# KiCad board USB Cable Tester.kicad_pcb
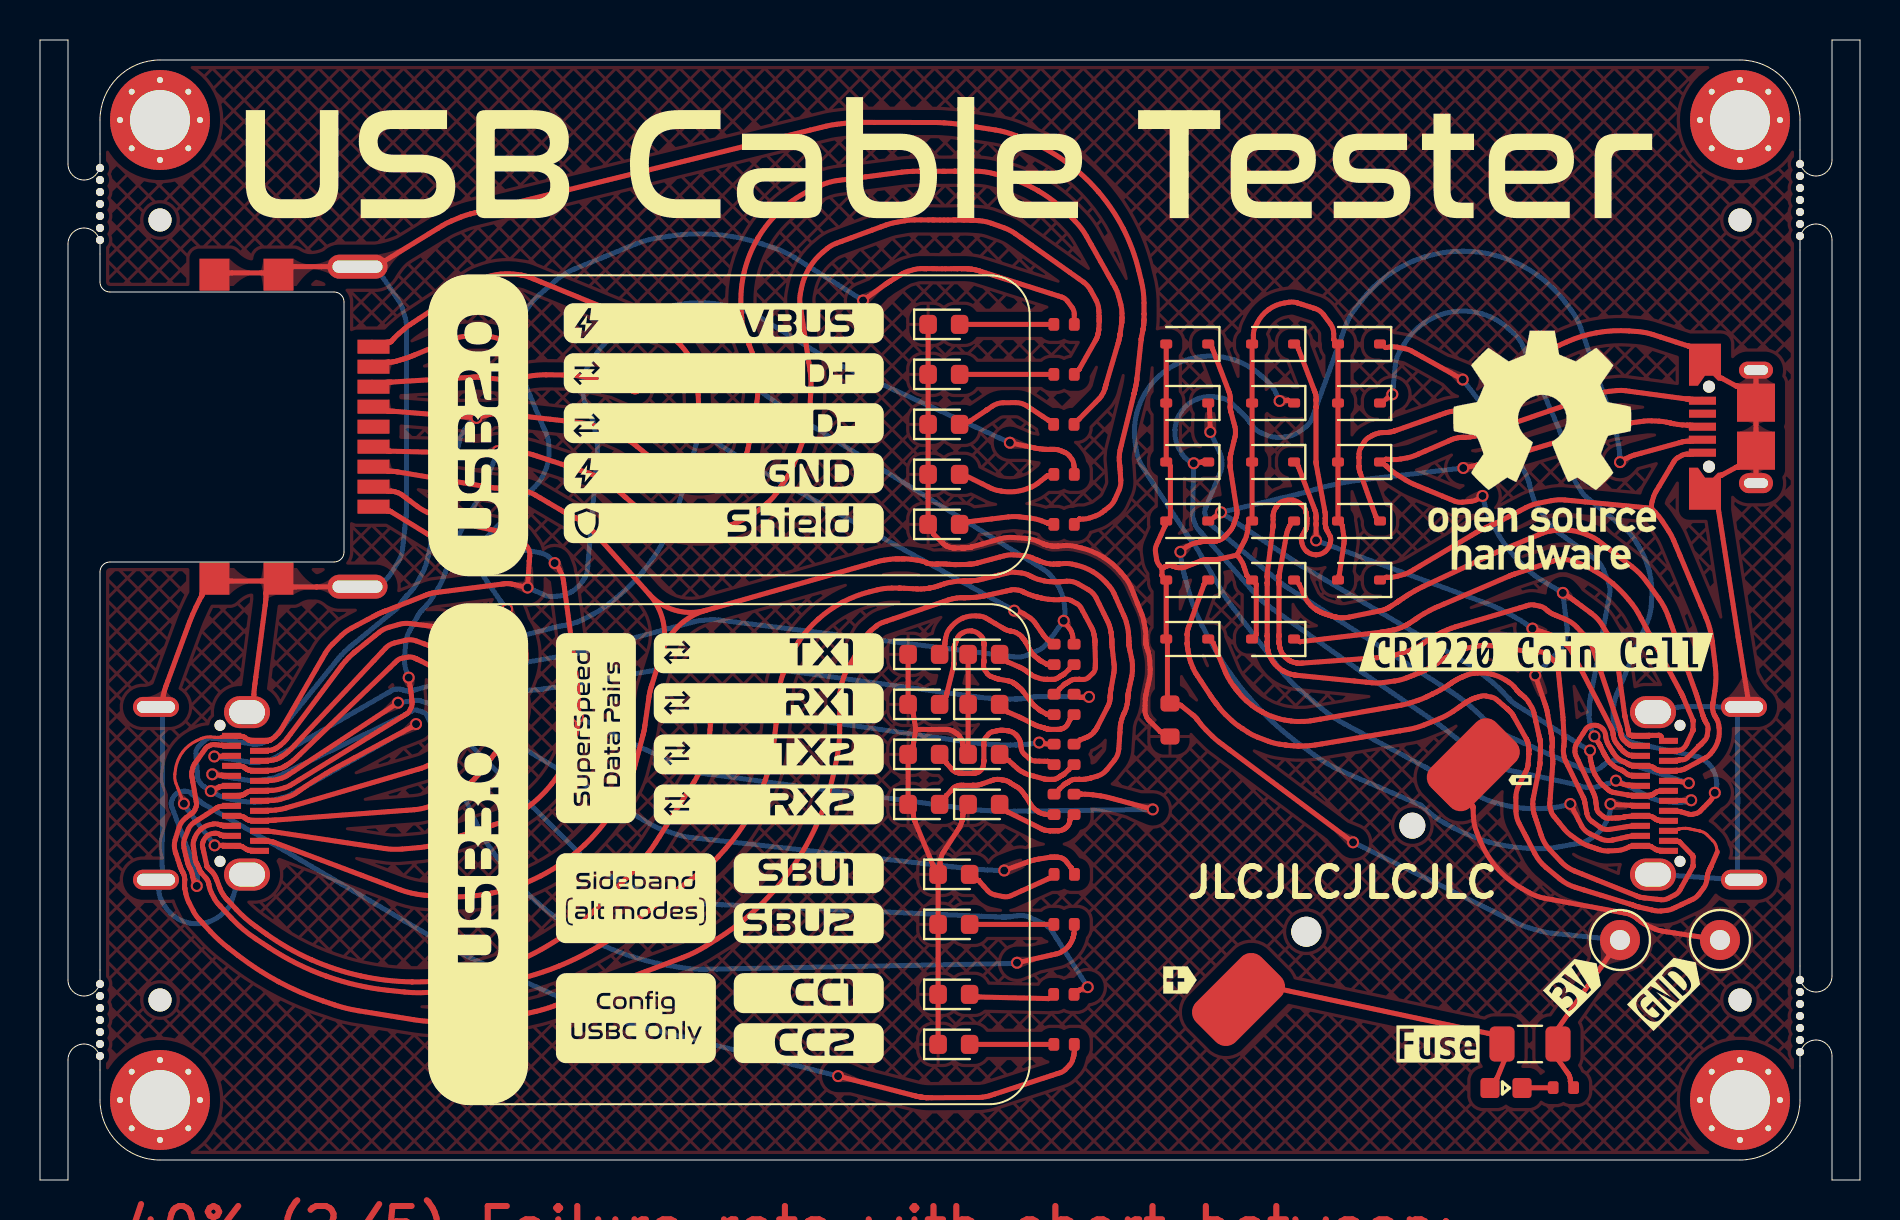
[diagram p0: board, top side]
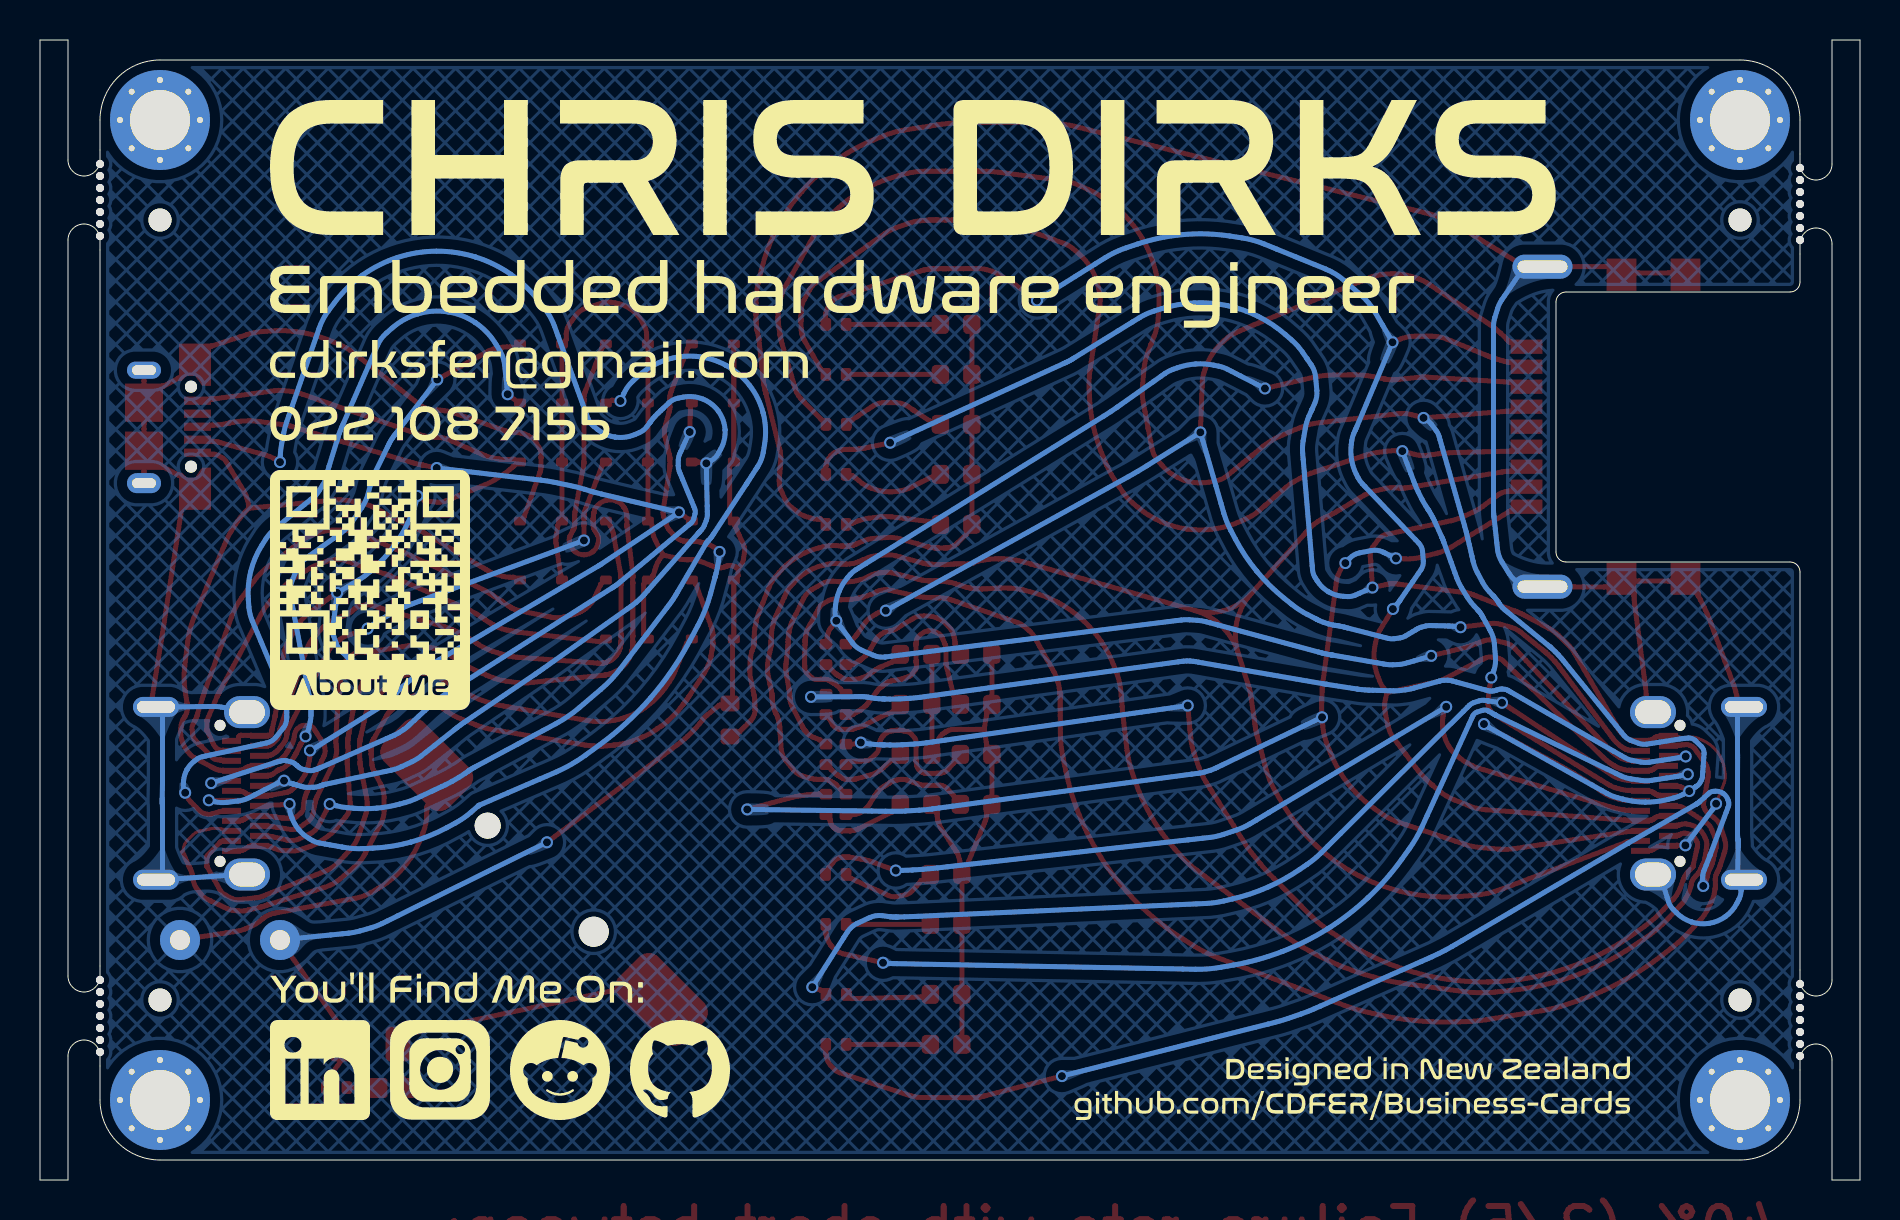
[diagram p1: board, bottom side, seen from below]

Outline 91 x 57 mm; copper layers: Top, Bottom. Coordinates in mm from the lower left corner of the outline.
Outline path: 1.4,50.8 1.4,57 0,57 0,0 1.4,0 1.4,6 ; 1.4,10 1.4,46.8 ; 3,51.3 3,53 arc(3.88,55.12) 6,56 85,56 arc(87.12,55.12) 88,53 88,51.5 ; 3,46.3 3,44.9 arc(3.15,44.55) 3.5,44.4 14.7,44.4 arc(15.05,44.25) 15.2,43.9 15.2,31.4 arc(15.05,31.05) 14.7,30.9 3.5,30.9 arc(3.15,30.75) 3,30.4 3,10.5 ; 3,5.5 3,4 arc(3.88,1.88) 6,1 85,1 arc(87.12,1.88) 88,4 88,5.7 ; 88,46.5 88,10.7 ; 89.6,51 89.6,57 91,57 91,0 89.6,0 89.6,6.2 ; 89.6,47 89.6,10.2
Stack: Top 0.035mm / dielectric 0.9mm FR4 er 4.5 / Bottom 0.035mm

## Placement (name value [footprint] x y rotation side)
B1  CR1220  [BAT-SMD_BS-12-B2AA002]  65.8 14.9 225 top
C1  0603,10uF,10V,X5R  [0603_1608Metric]  56.5 23 270 top
D1  RB501V-40  [D_SOD-323]  65.95 41.8 180 top
D2  LED  [LED_0603_1608Metric]  44.19 18.78 0 top
D3  LED  [LED_0603_1608Metric]  47.19 18.78 0 top
D4  LED  [LED_0603_1608Metric]  45.19 42.78 0 top
D5  RB501V-40  [D_SOD-323]  61.66 27.05 180 top
D6  RB501V-40  [D_SOD-323]  57.36 27.05 180 top
D7  RB501V-40  [D_SOD-323]  65.95 38.85 180 top
D8  LED  [LED_0603_1608Metric]  44.19 21.28 0 top
D9  RB501V-40  [D_SOD-323]  65.95 35.9 180 top
D10  LED  [LED_0603_1608Metric]  47.19 23.78 0 top
D11  LED  [LED_0603_1608Metric]  44.19 23.78 0 top
D12  RB501V-40  [D_SOD-323]  61.66 32.95 180 top
D13  LED  [LED_0603_1608Metric]  47.19 21.28 0 top
D14  LED  [LED_0603_1608Metric]  45.19 35.28 0 top
D15  RB501V-40  [D_SOD-323]  57.36 32.95 180 top
D16  LED  [LED_0603_1608Metric]  45.19 37.78 0 top
D17  RB501V-40  [D_SOD-323]  61.66 30 180 top
D18  LED  [LED_0603_1608Metric]  45.19 32.78 0 top
D19  RB501V-40  [D_SOD-323]  65.95 30 180 top
D20  RB501V-40  [D_SOD-323]  61.66 35.9 180 top
D21  RB501V-40  [D_SOD-323]  61.66 41.8 180 top
D22  RB501V-40  [D_SOD-323]  61.66 38.85 180 top
D23  LED  [LED_0603_1608Metric]  44.19 26.28 0 top
D24  RB501V-40  [D_SOD-323]  57.36 38.85 180 top
D25  RB501V-40  [D_SOD-323]  57.36 41.8 180 top
D26  RB501V-40  [D_SOD-323]  65.95 32.95 180 top
D27  LED  [LED_0603_1608Metric]  45.19 40.28 0 top
D28  RB501V-40  [D_SOD-323]  57.36 35.9 180 top
D29  RB501V-40  [D_SOD-323]  57.36 30 180 top
D30  LED  [LED_0603_1608Metric]  47.19 26.28 0 top
D31  LED  [LED_0603_1608Metric]  45.69 9.28 0 top
D32  LED  [LED_0603_1608Metric]  45.69 12.78 0 top
D33  LED  [LED_0603_1608Metric]  45.69 15.28 0 top
D34  LED  [LED_0603_1608Metric]  45.69 6.78 0 top
F1  1.5A Resettable Fuse  [Fuse_1206_3216Metric]  74.5 6.8 180 top
J1  USB3_A  [USB-A-SMD_HC-USB3.0-C225-P]  12.7 37.67 270 top
J2  USB_C_Receptacle  [TYPE-C-SMD_C9900025773]  8.39 19.33 270 top
J3  USB_B_Micro  [USB_Micro-B_XKB_U254-051T-4BH83-F1S]  85.41 37.67 90 top
J4  USB_C_Receptacle  [TYPE-C-SMD_C9900025773]  82.61 19.33 90 top
JLC1  -  [MountingHole_2.1mm]  85 48 0 top
JLC1#2  -  [MountingHole_2.1mm]  6 9 0 top
JLC1#3  -  [MountingHole_2.1mm]  85 9 0 top
JLC1#4  -  [MountingHole_2.1mm]  6 48 0 top
kibuzzard-668C5C99  G***  [kibuzzard-668C5C99]  69.9 6.8 0 top
kibuzzard-668C6B90  G***  [kibuzzard-668C6B90]  57 10 0 top
kibuzzard-668C6BA4  G***  [kibuzzard-668C6BA4]  74 20 180 top
kibuzzard-668C577E  G***  [kibuzzard-668C577E]  74.8 26.4 0 top
kibuzzard-668C5808  G***  [kibuzzard-668C5808]  81.4 9.5 45 top
kibuzzard-668C5838  G***  [kibuzzard-668C5838]  76.82 9.82 45 top
LED1  0603,Red  [LED0603]  73.3 4.6 180 top
M4  -  [MountingHole_3.2mm_M3]  6 53 90 top
M4#2  -  [MountingHole_3.2mm_M3]  85 53 90 top
M4#3  -  [MountingHole_3.2mm_M3]  85 4 90 top
M4#4  -  [MountingHole_3.2mm_M3]  6 4 90 top
NOREF  -  [74cc307d-ef1c-4d55-ab28-7a463adb6a10]  1.4 6 180 top
NOREF#2  -  [74cc307d-ef1c-4d55-ab28-7a463adb6a10]  1.4 46.8 180 top
NOREF#3  -  [29b2475f-d1f9-413a-acd7-ed0fdfac1ce2]  88.8 7 180 top
NOREF#4  -  [29b2475f-d1f9-413a-acd7-ed0fdfac1ce2]  2.2 9.2 0 top
NOREF#5  -  [29b2475f-d1f9-413a-acd7-ed0fdfac1ce2]  2.2 50 0 top
NOREF#6  -  [29b2475f-d1f9-413a-acd7-ed0fdfac1ce2]  88.8 47.8 180 top
NOREF#7  -  [74cc307d-ef1c-4d55-ab28-7a463adb6a10]  89.6 10.2 0 top
NOREF#8  -  [74cc307d-ef1c-4d55-ab28-7a463adb6a10]  89.6 51 0 top
R1  0402,150  [0402_1005Metric]  51.2 40.28 180 top
R2  0402,150  [0402_1005Metric]  50.7 23.78 270 top
R3  0402,150  [0402_1005Metric]  51.7 18.78 270 top
R4  0402,150  [0402_1005Metric]  51.2 42.78 180 top
R5  0402,150  [0402_1005Metric]  51.7 21.28 270 top
R6  0402,150  [0402_1005Metric]  51.7 26.28 270 top
R7  0402,150  [0402_1005Metric]  50.7 26.28 270 top
R8  0402,150  [0402_1005Metric]  51.19 37.78 180 top
R9  0402,150  [0402_1005Metric]  51.7 23.78 270 top
R10  0402,150  [0402_1005Metric]  50.7 18.78 270 top
R11  0402,150  [0402_1005Metric]  50.7 21.28 270 top
R12  0402,150  [0402_1005Metric]  51.2 35.28 180 top
R13  0402,150  [0402_1005Metric]  51.2 32.78 180 top
R14  0402,150  [0402_1005Metric]  51.2 12.78 180 top
R15  0402,150  [0402_1005Metric]  51.19 9.28 180 top
R16  0402,150  [0402_1005Metric]  51.2 6.78 180 top
R17  0402,150  [0402_1005Metric]  51.21 15.28 180 top
R18  0402,330  [0402_1005Metric]  76.17 4.62 180 top
REF**  -  [MouseBitesJLCPCB]  3 48.8 90 top
REF**#2  -  [OSHW-Logo_11.4x12mm_SilkScreen]  75.1 36.5 0 top
REF**#3  -  [MouseBitesJLCPCB]  3 8 90 top
REF**#4  -  [MouseBitesJLCPCB]  88 49 270 top
REF**#5  -  [MouseBitesJLCPCB]  88 8.2 270 top
TP1  3V0  [TestPoint_Loop_D1.80mm_Drill1.0mm_Beaded]  79 12 90 top
TP2  GND  [TestPoint_Loop_D1.80mm_Drill1.0mm_Beaded]  84 12 90 top

## Library data of the parts
B1 = -: Datasheet: https://atta.szlcsc.com/upload/public/pdf/source/20201231/C964721_199C6EC0B9FA2987F2BCCA5E127C88A0.pdf; LCSC: C964721; Field5: REF**
C1 = -: Datasheet: https://datasheet.lcsc.com/lcsc/1810191219_Samsung-Electro-Mechanics-CL10A106KP8NNNC_C19702.pdf; Description: 10V 10uF X5R   10% 0603 Multilayer Ceramic Capacitors MLCC - SMD SMT ROHS; LCSC: C19702; MFG: Samsung Electro-Mechanics; MFGPN: CL10A106KP8NNNC
D1 D5 D7 D9 D12 D17 D19-D22 D26 = -: Description: Diode; Sim.Device: D; Sim.Pins: 1=K 2=A; LCSC: C7502717; ki_fp_filters: TO-???* *_Diode_* *SingleDiode* D_*
D2-D4 D8 D10 D11 D13 D14 D16 D18 D23 D27 D30-D34 = -: Description: Light emitting diode; LCSC: C2986059; ki_fp_filters: LED* LED_SMD:* LED_THT:*
D6 D15 D24 D25 D28 D29 = -: Description: Diode; LCSC: C7502717; Sim.Device: D; Sim.Pins: 1=K 2=A; ki_fp_filters: TO-???* *_Diode_* *SingleDiode* D_*
F1 = -: Description: Resettable fuse, polymeric positive temperature coefficient; LCSC: C2838983; ki_fp_filters: *polyfuse* *PTC*
J1 = -: Description: USB 3.0 A connector; LCSC: C7501855; Field5: REF**; ki_fp_filters: USB3*
J2 J4 = -: Datasheet: https://www.usb.org/sites/default/files/documents/usb_type-c.zip; Description: USB Full-Featured Type-C Receptacle connector; LCSC: C5156605; Field5: REF**; ki_fp_filters: USB*C*Receptacle*
J3 = -: Description: USB Micro Type B connector; LCSC: C2682231; ki_fp_filters: USB*
LED1 = -: Datasheet: https://item.szlcsc.com/347874.html; LCSC: C2286; Field5: REF**
R1-R17 = -: Datasheet: https://datasheet.lcsc.com/lcsc/2110252230_UNI-ROYAL-Uniroyal-Elec-0402WGF1500TCE_C25082.pdf; Description: 1% 1 16W Thick Film Resistors 50V   100ppm    -55    155   150   0402 Chip Resistor - Surface Mount ROHS; LCSC: C25082; MFG: UNI-ROYAL(Uniroyal Elec); MFGPN: 0402WGF1500TCE
R18 = -: Datasheet: https://datasheet.lcsc.com/lcsc/2110252230_UNI-ROYAL-Uniroyal-Elec-0402WGF3300TCE_C25104.pdf; Description: 1% 1 16W Thick Film Resistors 50V   100ppm    -55    155   330   0402 Chip Resistor - Surface Mount ROHS; LCSC: C25104; MFG: UNI-ROYAL(Uniroyal Elec); MFGPN: 0402WGF3300TCE
TP1 TP2 = -: Description: test point (alternative probe-style design); ki_fp_filters: Pin* Test*

## Footprints (pads in the part's own frame, mm; a bottom-side part is the same pattern mirrored in y, then rotated)
0402_1005Metric
  rrect 0.54x0.64 smd: 1(-0.51,0) 2(0.51,0)
0603_1608Metric
  rrect 0.8x0.95 smd: 1(-0.825,0) 2(0.825,0)
BAT-SMD_BS-12-B2AA002
  round 1.3 hole 1.3 unplated: (-3.99,0)
  round 1.5 hole 1.5 unplated: (3.51,0)
  rrect 4.6x2.8 smd: 1(8.3,0) 2(-8.3,0)
D_SOD-323
  rrect 0.6x0.45 smd: 1(-1.05,0) 2(1.05,0)
Fuse_1206_3216Metric
  rrect 1.25x1.75 smd: 1(-1.4,0) 2(1.4,0)
LED0603
  rrect 0.95x1 smd: 1(-0.8,0) 2(0.8,0)
LED_0603_1608Metric
  rrect 0.875x0.95 smd: 1(-0.787,0) 2(0.787,0)
MountingHole_2.1mm
  round 1.152 hole 1.152 unplated: (0,0)
MountingHole_3.2mm_M3
  round 0.4 hole 0.3: (-2,0) (-1.414,1.414) (-1.414,-1.414) (0,2) (0,-2) (1.414,1.414) (1.414,-1.414) (2,0)
  round 5 hole 3: (0,0)
MouseBitesJLCPCB
  round 0.4 hole 0.4 unplated: (-1.8,0) (-1.2,0) (-0.6,0) (0,0) (0.6,0) (1.2,0) (1.8,0)
TestPoint_Loop_D1.80mm_Drill1.0mm_Beaded
  round 2 hole 1: 1(0,0)
TYPE-C-SMD_C9900025773
  round 0.55 hole 0.55 unplated: (-3.4,0.612) (3.4,0.612)
  rect 0.3x0.95 smd: A1(-2.625,2.588) A2(-2.125,2.588) A3(-1.625,2.588) A4(-1.125,2.588) A5(-0.625,2.588) A6(-0.125,2.588) A7(0.375,2.588) A8(0.875,2.588) A9(1.375,2.588) A10(1.875,2.588) A11(2.375,2.588) A12(2.875,2.588) B1(2.625,1.188) B2(2.125,1.188) B3(1.625,1.188) B4(1.125,1.188) B5(0.625,1.188) B6(0.125,1.188) B7(-0.375,1.188) B8(-0.875,1.188) B9(-1.375,1.188) B10(-1.875,1.188) B11(-2.375,1.188) B12(-2.875,1.188)
  oval 1x2.3 hole 0.6x1.9: S1(-4.32,-2.588) S1(4.32,-2.588)
  oval 1.6x2.3 hole 1.2x1.8: S1(-4.06,1.962) S1(4.06,1.962)
USB-A-SMD_HC-USB3.0-C225-P
  rect 0.7x1.6 smd: 1(-3,3.975) 2(-1,3.975) 3(1,3.975) 4(3,3.975) 5(4,3.975) 6(2,3.975) 7(0,3.975) 8(-2,3.975) 9(-4,3.975)
  oval 1.2x3 hole 0.61x2.5: 10(-8,3.175) 10(8,3.175)
  rect 1.6x1.5 smd: 10(-7.6,-0.775) 10(-7.6,-3.975) 10(7.6,-0.775) 10(7.6,-3.975)
USB_Micro-B_XKB_U254-051T-4BH83-F1S
  round 0.6 hole 0.6 unplated: (-2,1.96) (2,1.96)
  rect 0.4x1.35 smd: 1(-1.3,2.285) 2(-0.65,2.285) 3(0,2.285) 4(0.65,2.285) 5(1.3,2.285)
  custom 2.1x1.6 smd: 6(-3.1,2.16) 6(3.1,2.16)
  oval 1x1.7 hole 0.5x1.2: 6(-2.825,-0.39)
  rect 1.9x1.9 smd: 6(-1.2,-0.39) 6(1.2,-0.39)
  oval 0.85x1.7 hole 0.5x1.2: 6(2.825,-0.39)

## Nets
+3V0: C1.1 D1.2 D5.2 D6.2 D7.2 D9.2 D12.2 D15.2 D17.2 D19.2 D20.2 D21.2 D22.2 D24.2 D25.2 D26.2 D28.2 D29.2 F1.1 R18.1 TP1.1
/GND_Drain: J1.7
/VBUS: J1.1 J2.A4 J2.A9 J2.B4 J2.B9 R4.1
GND: B1.2 C1.2 D2.1 D3.1 D4.1 D8.1 D10.1 D11.1 D13.1 D14.1 D16.1 D18.1 D23.1 D27.1 D30.1 D31.1 D32.1 D33.1 D34.1 TP2.1
/CC1: J2.A5 R15.1
/CC2: J2.B5 R16.1
/D+: J1.3 J2.A6 J2.B6 R1.1
/D-: J1.2 J2.A7 J2.B7 R8.1
/RX1+: J2.B11 R2.1
/RX1-: J2.B10 R9.1
/RX2+: J1.6 J2.A11 R10.1
/RX2-: J1.5 J2.A10 R3.1
/SBU1: J2.A8 R17.1
/SBU2: J2.B8 R14.1
/SHLD: J1.10 J2.S1 R13.1
/TX1+: J1.9 J2.A2 R7.1
/TX1-: J1.8 J2.A3 R6.1
/TX2+: J2.B2 R11.1
/TX2-: J2.B3 R5.1
/USB_GND: J1.4 J2.A1 J2.A12 J2.B1 J2.B12 R12.1
Net-(B1-+): B1.1 F1.2 LED1.2
Net-(D1-K): D1.1 J4.A8
Net-(D2-A): D2.2 R10.2
Net-(D3-A): D3.2 R3.2
Net-(D4-A): D4.2 R4.2
Net-(D5-K): D5.1 J4.B2
Net-(D6-K): D6.1 J4.B11
Net-(D7-K): D7.1 J4.B8
Net-(D8-A): D8.2 R11.2
Net-(D9-K): D9.1 J3.5 J4.A1 J4.A12 J4.B1 J4.B12
Net-(D10-A): D10.2 R9.2
Net-(D11-A): D11.2 R2.2
Net-(D12-K): D12.1 J4.A11
Net-(D13-A): D13.2 R5.2
Net-(D14-A): D14.2 R12.2
Net-(D15-K): D15.1 J3.3 J4.A6 J4.B6
Net-(D16-A): D16.2 R8.2
Net-(D17-K): D17.1 J4.B3
Net-(D18-A): D18.2 R13.2
Net-(D19-K): D19.1 J3.1 J4.A4 J4.A9 J4.B4 J4.B9
Net-(D20-K): D20.1 J4.A10
Net-(D21-K): D21.1 J4.A3
Net-(D22-K): D22.1 J4.A2
Net-(D23-A): D23.2 R7.2
Net-(D24-K): D24.1 J4.B5
Net-(D25-K): D25.1 J4.A5
Net-(D26-K): D26.1 J3.6 J4.S1
Net-(D27-A): D27.2 R1.2
Net-(D28-K): D28.1 J3.2 J4.A7 J4.B7
Net-(D29-K): D29.1 J4.B10
Net-(D30-A): D30.2 R6.2
Net-(D31-A): D31.2 R15.2
Net-(D32-A): D32.2 R14.2
Net-(D33-A): D33.2 R17.2
Net-(D34-A): D34.2 R16.2
Net-(LED1-K): LED1.1 R18.2

Pads without a net: J3 4

## Via types
v1: diameter 0.6, hole 0.4, Top to Bottom, 57 vias

## Routing (per net, layer and track width the routed paths; a pad name or vN(x,y) marks a point on that pad's centre or on a via; arc(x,y) is an arc through that point)
+3V0: length 80.6
  Top w0.25: 59.85,31.25 60.24,32 arc(60.29,32.1) 60.32,32.2 60.37,32.41 arc(60.39,32.51) 60.4,32.62 60.4,32.73 ; 59.85,31.25 arc(59.85,31.25) 59.84,31.24 ; 59.85,31.25 arc(59.85,31.25) 59.85,31.24 ; 56.52,35.68 56.52,35.68 arc(56.52,35.67) 56.52,35.67 56.52,33.18 arc(56.52,33.18) 56.52,33.17 56.52,33.17 ; 56.31,41.57 56.31,39.08 ; 60.6,35.67 60.6,33.18 ; 56.25,32.72 56.25,32.72 arc(56.25,32.71) 56.25,32.7 56.24,32.69 arc(56.24,32.69) 56.24,32.68 arc(56.24,32.67) 56.23,32.67 55.82,31.74 arc(55.77,31.57) 55.77,31.4 55.83,31.04 arc(55.88,30.87) 55.98,30.72 56.1,30.59 arc(56.1,30.59) 56.1,30.58 ; 60.81,27.27 60.81,27.27 arc(60.81,27.28) 60.81,27.28 60.81,29.77 arc(60.81,29.77) 60.81,29.78 60.81,29.78 ; 56.37,24.23 56.37,26.82 ; 65.11,32.73 65.2,32.13 arc(65.2,32.08) 65.2,32.03 65.2,31.93 arc(65.2,31.88) 65.2,31.82 65.17,31.67 64.96,30.25 arc(64.96,30.24) 64.96,30.24 arc(64.96,30.24) 64.96,30.24 64.96,30.23 arc(64.96,30.23) 64.96,30.23 64.96,30.23 ; 76.52,4.94 76.52,4.99 arc(76.51,5.04) 76.5,5.1 76.47,5.2 arc(76.45,5.25) 76.42,5.3 75.81,6.14 ; 64.69,42.02 64.69,42.02 arc(64.69,42.03) 64.69,42.03 64.69,42.03 arc(64.69,42.03) 64.69,42.04 64.69,42.31 arc(64.64,42.58) 64.51,42.82 64.18,43.26 arc(63.99,43.45) 63.75,43.57 62.87,43.85 arc(62.66,43.9) 62.44,43.89 62.22,43.85 arc(61.81,43.73) 61.43,43.52 arc(61.11,43.22) 60.87,42.86 60.77,42.67 arc(60.69,42.46) 60.67,42.25 60.67,42.03 ; 56.1,30.58 56.12,30.6 arc(56.13,30.6) 56.14,30.61 56.17,30.63 arc(56.18,30.63) 56.19,30.64 56.36,30.7 arc(56.4,30.71) 56.44,30.72 56.52,30.72 arc(56.56,30.72) 56.6,30.71 56.68,30.69 arc(56.68,30.69) 56.69,30.68 arc(56.69,30.68) 56.7,30.68 56.71,30.68 arc(56.71,30.68) 56.72,30.68 arc(56.72,30.67) 56.72,30.67 56.73,30.67 arc(56.73,30.67) 56.74,30.67 56.8,30.64 arc(56.87,30.62) 56.94,30.61 57.09,30.61 arc(57.17,30.62) 57.24,30.64 57.45,30.72 58.09,30.98 arc(58.13,30.99) 58.16,31 58.24,31.01 arc(58.27,31.02) 58.31,31.02 58.6,31.02 arc(58.61,31.02) 58.61,31.02 58.67,31.02 arc(58.72,31.02) 58.77,31.02 58.87,31.03 arc(58.92,31.04) 58.97,31.05 59.12,31.08 59.84,31.24 ; 56.1,30.58 arc(56.1,30.58) 56.1,30.58 ; 56.1,30.58 arc(56.1,30.58) 56.1,30.58 ; 56.98,23.75 56.99,23.75 arc(57,23.75) 57.01,23.75 57.03,23.74 arc(57.04,23.74) 57.05,23.73 57.69,23.21 arc(57.72,23.19) 57.74,23.17 57.79,23.12 arc(57.81,23.09) 57.83,23.07 58.01,22.84 arc(58.15,22.66) 58.3,22.5 58.61,22.19 arc(58.78,22.04) 58.95,21.9 59.48,21.5 v1(65.65,16.88) ; 64.9,35.67 64.9,33.18 ; 56.31,27.28 56.31,29.77 ; 60.6,38.62 60.6,36.13 ; 64.9,41.57 64.9,39.08 ; 56.1,30.58 56.1,30.23 arc(56.1,30.23) 56.1,30.22 56.1,30.22 ; 56.1,30.58 arc(56.1,30.58) 56.1,30.58 ; 75.81,7.46 TP1.1 ; 56.31,38.62 56.31,36.13 ; 59.84,31.24 arc(59.85,31.24) 59.85,31.24 ; 64.9,38.62 64.9,36.13 ; 60.36,30.2 60.36,30.21 arc(60.36,30.21) 60.35,30.21 arc(60.35,30.21) 60.35,30.21 60.17,30.74 arc(60.14,30.82) 60.1,30.9 60.01,31.04 arc(59.97,31.11) 59.91,31.18 59.86,31.23 arc(59.85,31.24) 59.85,31.24 ; 60.6,41.57 60.6,39.08
  Bottom w0.25: v1(65.65,16.88) 73.11,13.21 73.9,12.82 arc(74.16,12.7) 74.44,12.61 75,12.45 arc(75.29,12.38) 75.58,12.34 TP1.1
/VBUS: length 93.9
  Top w0.25: J2.B9 9.86,20.69 arc(9.93,20.68) 9.99,20.68 10.06,20.68 arc(10.06,20.68) 10.06,20.68 10.07,20.68 arc(10.08,20.68) 10.08,20.68 arc(10.08,20.68) 10.09,20.68 10.15,20.66 arc(10.17,20.65) 10.19,20.64 10.23,20.62 arc(10.24,20.61) 10.26,20.6 10.27,20.59 arc(10.27,20.58) 10.28,20.58 arc(10.28,20.58) 10.28,20.58 10.29,20.57 arc(10.31,20.55) 10.33,20.54 10.36,20.52 arc(10.38,20.51) 10.4,20.51 10.47,20.49 arc(10.48,20.49) 10.48,20.48 10.49,20.48 arc(10.49,20.48) 10.5,20.48 10.56,20.48 arc(10.63,20.48) 10.69,20.48 10.8,20.47 arc(10.98,20.46) 11.15,20.47 11.26,20.48 arc(11.33,20.48) 11.39,20.48 11.56,20.48 arc(11.67,20.49) 11.78,20.51 11.99,20.57 arc(12.09,20.61) 12.19,20.66 12.37,20.76 arc(12.45,20.81) 12.52,20.86 12.66,20.97 arc(12.73,21.03) 12.8,21.09 12.99,21.28 17.51,25.64 17.84,25.96 arc(17.96,26.04) 18.1,26.09 18.41,26.14 arc(18.56,26.15) 18.7,26.11 18.85,26.05 arc(18.85,26.04) 18.86,26.04 18.92,26.01 arc(18.99,25.98) 19.06,25.94 20.75,25.07 20.87,25.01 arc(20.91,24.99) 20.95,24.97 21.03,24.94 arc(21.07,24.93) 21.11,24.92 21.24,24.89 23.16,24.48 23.3,24.45 arc(23.35,24.44) 23.4,24.43 23.5,24.41 arc(23.54,24.4) 23.59,24.39 23.64,24.39 arc(23.64,24.39) 23.64,24.39 ; 23.65,24.39 23.8,24.57 arc(23.92,24.75) 24.02,24.95 24.1,25.16 arc(24.23,25.58) 24.29,26.02 arc(24.29,26.47) 24.21,26.9 24.16,27.12 arc(24.09,27.33) 23.99,27.53 23.64,28.09 v1(23.36,28.55) ; 23.65,24.39 arc(23.64,24.39) 23.64,24.39 ; 23.65,24.39 arc(23.65,24.39) 23.65,24.38 ; v1(41.15,43.98) 42.33,44.82 arc(42.35,44.84) 42.37,44.85 42.42,44.88 arc(42.44,44.9) 42.46,44.91 43.12,45.31 arc(43.26,45.39) 43.41,45.44 43.72,45.53 arc(43.87,45.56) 44.03,45.57 44.21,45.57 arc(44.23,45.57) 44.25,45.57 44.25,45.57 arc(44.27,45.57) 44.29,45.57 44.3,45.57 arc(44.31,45.57) 44.31,45.57 44.6,45.57 arc(44.62,45.57) 44.65,45.57 arc(44.67,45.57) 44.7,45.57 44.82,45.56 arc(44.96,45.56) 45.11,45.56 45.28,45.56 arc(45.42,45.56) 45.57,45.56 45.68,45.57 arc(45.71,45.57) 45.74,45.57 45.75,45.57 arc(45.77,45.57) 45.78,45.57 arc(45.8,45.57) 45.82,45.57 45.83,45.57 arc(45.85,45.57) 45.86,45.57 45.88,45.57 arc(45.88,45.57) 45.88,45.57 46.08,45.57 arc(46.08,45.57) 46.08,45.57 46.1,45.57 arc(46.12,45.57) 46.13,45.57 46.14,45.57 arc(46.16,45.57) 46.18,45.57 46.22,45.57 arc(46.24,45.57) 46.26,45.57 46.3,45.57 arc(46.32,45.57) 46.34,45.56 arc(46.36,45.56) 46.38,45.56 46.38,45.56 arc(46.4,45.56) 46.42,45.56 46.43,45.56 arc(46.45,45.56) 46.48,45.55 46.53,45.55 arc(46.56,45.54) 46.58,45.54 46.69,45.52 arc(46.74,45.51) 46.78,45.5 46.86,45.49 arc(46.9,45.47) 46.94,45.46 47.07,45.42 50.55,44.32 51.09,44.15 arc(51.25,44.06) 51.38,43.94 51.6,43.63 arc(51.68,43.47) 51.71,43.29 51.71,43.1 ; J2.B4 9.86,18.19 arc(9.93,18.18) 9.99,18.18 10.06,18.18 arc(10.06,18.18) 10.06,18.18 10.07,18.18 arc(10.08,18.18) 10.08,18.18 arc(10.08,18.18) 10.09,18.18 10.11,18.17 arc(10.13,18.17) 10.15,18.16 arc(10.17,18.15) 10.19,18.14 10.23,18.12 arc(10.24,18.11) 10.26,18.1 10.27,18.09 arc(10.27,18.09) 10.28,18.08 arc(10.28,18.08) 10.28,18.08 10.29,18.07 arc(10.31,18.05) 10.33,18.04 10.36,18.02 arc(10.38,18.01) 10.4,18.01 arc(10.42,18) 10.44,18 10.47,17.99 arc(10.48,17.99) 10.48,17.99 10.49,17.98 arc(10.49,17.98) 10.5,17.98 arc(10.5,17.98) 10.51,17.98 10.56,17.98 arc(10.63,17.98) 10.69,17.98 10.8,17.97 arc(10.98,17.96) 11.15,17.97 11.26,17.98 arc(11.33,17.98) 11.39,17.98 11.48,17.98 arc(11.52,17.98) 11.55,17.98 11.62,17.99 arc(11.65,17.99) 11.69,17.99 11.79,18 17.46,18.42 18.72,18.51 arc(19.13,18.58) 19.53,18.7 20.31,19.02 arc(20.69,19.21) 21.03,19.45 21.35,19.71 arc(21.35,19.72) 21.36,19.72 arc(21.36,19.72) 21.36,19.73 21.41,19.77 arc(21.42,19.77) 21.42,19.78 21.53,19.87 arc(21.64,19.97) 21.74,20.07 21.94,20.28 arc(22.03,20.39) 22.12,20.5 22.38,20.85 23.33,22.1 arc(23.5,22.39) 23.6,22.71 23.74,23.37 arc(23.77,23.71) 23.73,24.04 23.65,24.38 ; 16.68,40.67 17.29,40.87 arc(17.35,40.89) 17.41,40.89 17.51,40.89 arc(17.55,40.89) 17.59,40.9 17.67,40.91 arc(17.71,40.92) 17.75,40.92 18.18,41.05 arc(18.24,41.07) 18.3,41.09 18.43,41.13 arc(18.49,41.15) 18.55,41.18 20.27,41.89 20.64,42.04 arc(21.02,42.15) 21.41,42.19 22.21,42.19 arc(22.6,42.16) 22.98,42.05 v1(23.37,41.89) ; 23.65,24.38 arc(23.64,24.39) 23.64,24.39
  Bottom w0.25: v1(23.36,28.55) 23.35,28.55 arc(23.35,28.55) 23.34,28.56 23.33,28.57 arc(23.32,28.59) 23.3,28.6 23.27,28.64 arc(23.25,28.65) 23.24,28.67 23.14,28.79 arc(23.12,28.82) 23.1,28.84 23.06,28.9 arc(23.04,28.92) 23.02,28.95 22.97,29.03 22.09,30.32 21.95,30.52 arc(21.86,30.72) 21.84,30.95 21.87,31.43 arc(21.93,31.65) 22.06,31.84 22.55,32.36 24.88,34.81 arc(25,34.96) 25.1,35.12 25.19,35.29 arc(25.33,35.64) 25.42,36.01 arc(25.46,36.39) 25.44,36.77 25.41,36.96 arc(25.38,37.15) 25.31,37.33 25.22,37.52 arc(25.22,37.53) 25.21,37.54 25.2,37.58 arc(25.17,37.64) 25.15,37.69 v1(23.37,41.89) 24.26,43.41 arc(24.57,43.86) 24.96,44.25 25.79,44.98 arc(26.23,45.3) 26.72,45.55 28.22,46.16 29.78,46.8 arc(30.34,46.99) 30.91,47.11 31.49,47.2 arc(32.66,47.3) 33.84,47.27 arc(35,47.1) 36.13,46.8 36.69,46.61 arc(37.23,46.39) 37.75,46.11 39.25,45.17 v1(41.15,43.98)
GND: length 62.2
  Top w0.25: 43.67,23.31 43.67,23.31 arc(43.67,23.3) 43.67,23.3 43.67,23.29 arc(43.67,23.28) 43.67,23.27 43.67,23.25 arc(43.67,23.23) 43.68,23.22 arc(43.68,23.21) 43.68,23.2 43.79,22.54 ; 44.41,37.31 44.41,35.76 ; 44.91,9.76 44.91,12.31 ; 44.41,39.81 44.41,38.26 ; 43.79,22.53 43.68,21.84 arc(43.67,21.83) 43.67,21.82 43.67,21.79 arc(43.67,21.78) 43.67,21.77 43.67,21.76 arc(43.67,21.76) 43.67,21.76 arc(43.67,21.75) 43.67,21.75 43.67,21.75 ; 43.79,22.53 arc(43.79,22.53) 43.79,22.54 ; 43.79,22.53 arc(43.8,22.53) 43.8,22.53 ; 43.41,25.81 43.41,24.26 ; 46.41,25.81 46.41,24.26 ; 44.91,7.26 44.91,8.81 ; 46.41,23.31 46.41,21.76 ; 44.91,13.26 44.91,14.81 ; 46.14,21.75 46.14,21.75 arc(46.14,21.75) 46.14,21.76 46.14,21.76 arc(46.14,21.76) 46.14,21.77 46.13,21.86 arc(46.12,21.94) 46.08,22.02 45.99,22.18 arc(45.93,22.25) 45.86,22.31 45.67,22.43 arc(45.62,22.46) 45.56,22.48 45.45,22.52 arc(45.4,22.53) 45.34,22.53 45.16,22.53 44.59,22.53 arc(44.59,22.53) 44.58,22.53 arc(44.58,22.53) 44.58,22.53 43.81,22.53 arc(43.81,22.53) 43.8,22.53 43.8,22.53 ; 43.8,22.53 arc(43.8,22.53) 43.79,22.54 ; 44.41,42.31 44.41,40.76 ; 56.03,22.41 56.03,22.41 arc(56.03,22.41) 56.03,22.41 arc(56.02,22.42) 56.02,22.42 56.02,22.42 arc(56.02,22.42) 56.01,22.42 arc(56.01,22.42) 56.01,22.43 55.49,22.94 55.43,23 arc(55.38,23.06) 55.34,23.14 55.28,23.3 arc(55.25,23.38) 55.25,23.46 55.27,24.06 arc(55.27,24.07) 55.27,24.09 55.27,24.11 arc(55.27,24.12) 55.27,24.13 arc(55.28,24.14) 55.28,24.15 55.29,24.2 arc(55.29,24.22) 55.29,24.24 arc(55.3,24.26) 55.3,24.28 55.47,25.07 arc(55.51,25.3) 55.51,25.53 55.49,25.99 arc(55.46,26.21) 55.4,26.44 55.32,26.69 arc(55.32,26.7) 55.31,26.72 55.31,26.75 arc(55.3,26.76) 55.3,26.78 55.3,26.8 arc(55.3,26.81) 55.3,26.82 55.3,26.83 arc(55.29,26.84) 55.29,26.85 55.29,26.87 arc(55.29,26.87) 55.29,26.87 arc(55.29,26.88) 55.29,26.89 55.29,26.91 arc(55.29,26.92) 55.29,26.94 55.29,27.2 arc(55.28,27.39) 55.26,27.57 55.19,27.93 arc(55.15,28.11) 55.09,28.29 54.86,28.85 54.55,29.63 arc(54.42,29.89) 54.25,30.14 54.06,30.37 arc(53.64,30.79) 53.17,31.14 arc(52.64,31.41) 52.08,31.6 51.79,31.67 arc(51.5,31.72) 51.2,31.72 50.9,31.7 arc(50.89,31.7) 50.88,31.69 50.86,31.69 arc(50.84,31.69) 50.82,31.69 50.69,31.69 arc(50.67,31.69) 50.65,31.69 50.61,31.7 arc(50.59,31.7) 50.57,31.7 50.44,31.73 arc(50.42,31.73) 50.4,31.73 arc(50.38,31.74) 50.36,31.74 50.31,31.75 arc(50.3,31.76) 50.28,31.76 50.25,31.77 arc(50.24,31.78) 50.22,31.79 49.89,31.93 arc(49.59,32.03) 49.28,32.08 48.65,32.13 arc(48.33,32.12) 48.02,32.06 47.1,31.8 46.6,31.66 arc(46.59,31.66) 46.59,31.65 arc(46.58,31.65) 46.57,31.65 46.53,31.64 arc(46.52,31.64) 46.5,31.63 46.47,31.63 arc(46.46,31.62) 46.44,31.62 46.28,31.61 arc(46.27,31.61) 46.26,31.6 arc(46.25,31.6) 46.24,31.6 46.22,31.6 arc(46.21,31.6) 46.21,31.6 46.18,31.6 arc(46.17,31.6) 46.15,31.6 46.11,31.6 arc(46.1,31.6) 46.09,31.6 46.08,31.6 arc(46.08,31.6) 46.08,31.6 arc(46.08,31.6) 46.08,31.6 45.78,31.6 arc(45.77,31.6) 45.75,31.6 arc(45.74,31.6) 45.73,31.6 45.7,31.6 arc(45.69,31.6) 45.67,31.61 45.62,31.61 arc(45.62,31.61) 45.61,31.61 arc(45.61,31.61) 45.61,31.62 45.59,31.62 arc(45.57,31.62) 45.55,31.62 45.54,31.63 arc(45.51,31.63) 45.48,31.64 45.42,31.66 arc(45.39,31.67) 45.36,31.68 45.28,31.73 arc(45.26,31.74) 45.24,31.76 45.2,31.79 arc(45.18,31.8) 45.16,31.82 44.68,32.29 arc(44.68,32.29) 44.68,32.29 arc(44.67,32.3) 44.67,32.3 44.67,32.3 arc(44.67,32.31) 44.67,32.31 44.67,32.31 arc(44.67,32.31) 44.67,32.31 ; 43.41,19.26 43.41,20.81 ; 44.41,34.81 44.41,33.26 ; TP2.1 81.72,12.35 81.12,12.44 arc(80.93,12.49) 80.74,12.55 80.37,12.72 arc(80.19,12.81) 80.03,12.93 79.88,13.05 arc(79.87,13.05) 79.87,13.06 arc(79.86,13.06) 79.86,13.07 79.8,13.12 arc(79.73,13.17) 79.65,13.21 79.5,13.28 arc(79.42,13.31) 79.33,13.33 76.45,13.86 75.22,14.09 arc(74.83,14.2) 74.46,14.37 74.1,14.57 arc(73.42,15.04) 72.84,15.61 arc(72.36,16.27) 71.99,17.01 71.84,17.39 arc(71.72,17.78) 71.67,18.19 71.65,18.66 arc(71.65,18.67) 71.65,18.68 71.64,18.7 arc(71.63,18.71) 71.62,18.72 71.62,18.73 arc(71.62,18.73) 71.62,18.73 71.61,18.73 ; 44.64,15.75 44.64,15.75 arc(44.64,15.75) 44.64,15.75 44.64,15.75 arc(44.64,15.76) 44.64,15.76 43.78,17.85 43.72,17.98 arc(43.71,18.03) 43.7,18.07 43.68,18.17 arc(43.67,18.22) 43.67,18.26 43.67,18.31 arc(43.67,18.31) 43.67,18.31 ; 45,15.76 45,15.85 arc(45.01,15.94) 45.03,16.03 45.08,16.21 arc(45.11,16.29) 45.15,16.37 45.95,17.59 arc(45.98,17.64) 46,17.69 46.05,17.81 arc(46.07,17.86) 46.09,17.92 46.11,17.98 arc(46.11,17.98) 46.11,17.98 arc(46.11,17.98) 46.11,17.98 46.12,18.02 arc(46.12,18.06) 46.13,18.1 46.14,18.18 arc(46.14,18.22) 46.14,18.26 46.14,18.3 arc(46.14,18.31) 46.14,18.31 46.14,18.31 arc(46.14,18.31) 46.14,18.31